# Altium PCB IPC_V3S_0.1.PcbDoc (part 2 of 2)
Units mil, origin at the board's own origin, x right, y up, seen from the top; angles counter-clockwise.
Board outline 2206.03 x 1507.04 mil, 4 copper layers (Top Layer, signal, vcc, Bottom Layer), stack 70.112 mil thick; 139 components, 125 nets, 631 pads, 200 vias.
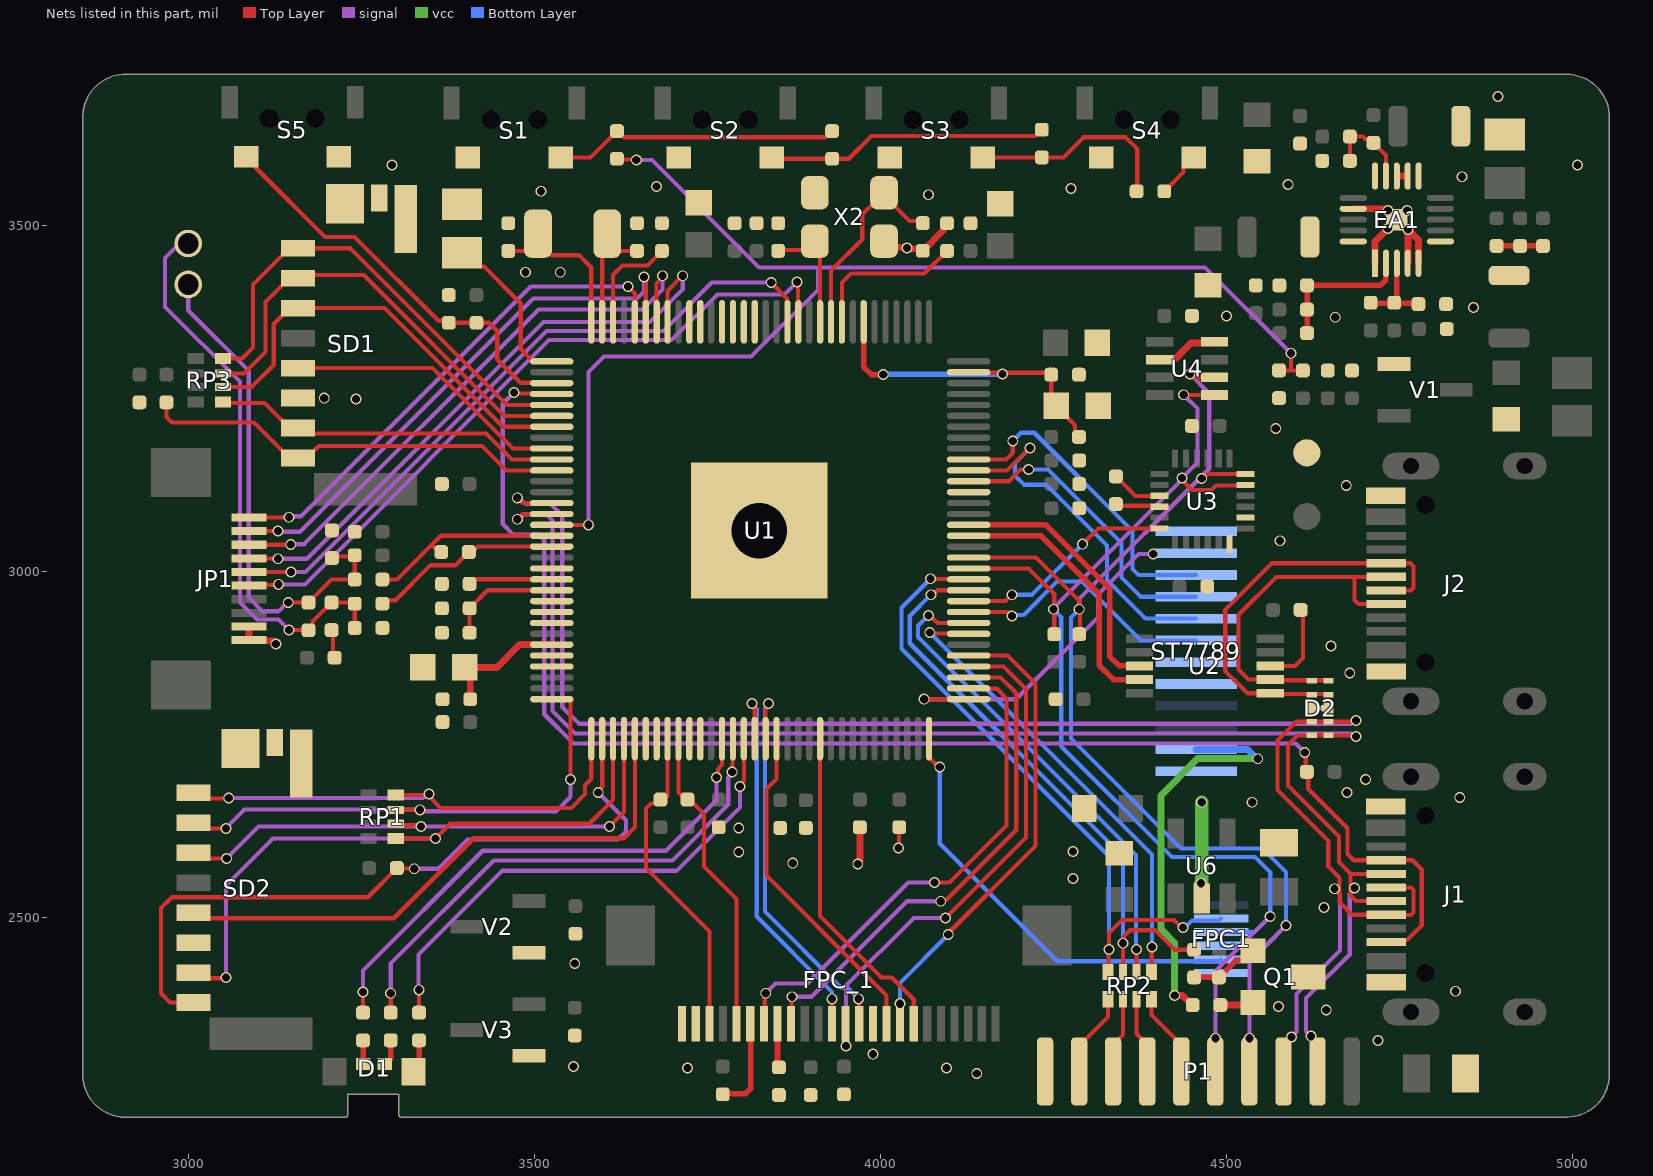
[diagram p4: the nets of this part, all layers, seen from the top]

## Via types
v1: diameter 15.75, hole 11.81, Top Layer to Bottom Layer, tented both sides, 200 vias

## Nets (pads, with @x,y where several pads share a name; then routed paths per layer and width w, separated by ;. In a path a pad name is that pad's centre, name@x,y a point inside that pad or via, vN(x,y) a via of type N, cw(c..) or ccw(c..) an arc to the next point about the centre after c; other vN are vias at no path point) (continued)
CSI_D8: FPC_1.7 U1.22 | length 477
  Top Layer w6: U1.22@3912.61,2757.88 3912.61,2501.42 4001.03,2413 4016.06,2413 4047.85,2381.21 FPC_1.7@4047.85,2345.75
CSI_D9: FPC_1.9 U1.18 | length 490
  Top Layer w6: U1.18@3849.62,2757.88 3849.62,2699.62 3835,2685 3835,2560 3976,2419 4008.48,2386.52 FPC_1.9@4008.48,2345.75
CSI_D10: FPC_1.11 U1.17 | length 571.3
  Top Layer w6: U1.17@3833.87,2757.88 3833.87,2802.24 ; v1(3968,2382) 3968.56,2381.44 3968.56,2346.3 FPC_1.11@3969.11,2345.75
  Bottom Layer w6: v1(3838,2809) 3838,2807 3833,2802 3833,2508 3943,2398 3952,2398 v1(3968,2382)
CSI_D11: FPC_1.13 U1.16 | length 564.2
  Top Layer w6: v1(3814,2809) 3814,2806.36 3818.13,2802.24 U1.16@3818.13,2757.88 ; FPC_1.13@3929.74,2345.75 3929.87,2345.88 3929.87,2381.87 v1(3930,2382)
  Bottom Layer w6: v1(3814,2809) 3814,2808 3821,2801 3821,2501 3930,2392 v1(3930,2382)
CSI_SCK: FPC_1.20 R30.1 U1.9 | length 443.1
  Top Layer w6: U1.9@3707.89,2757.88 3707.89,2680.51 3711.4,2677 3712.92,2677 3719.92,2670 R30.1@3721,2670 ; R30.1@3726.9,2667.1 3745,2649 3745,2573 3791.95,2526.05 FPC_1.20@3791.95,2345.75
CSI_SDA: FPC_1.22 R29.1 U1.8 | length 468.2
  Top Layer w6: R29.1@3686.96,2664.23 3668.23,2664.23 3661,2657 3661,2571 3752.58,2479.42 FPC_1.22@3752.58,2345.75 ; R29.1@3687,2670 3692.14,2675.14 U1.8@3692.14,2757.88
"DCMI RST": FPC_1.19 R31.2 | length 130.2
  Top Layer w8: R31.2@3778.84,2245 3805,2245 3812.32,2252.32 3812.32,2345.06 FPC_1.19@3811.63,2345.75
EPHY-LINK-LED: JP1.6 U1.77 | length 1032
  Top Layer w6: JP1.6@3087.31,2979.16 3088.23,2980.08 3129.08,2980.08 v1(3130,2981) ; v1(3879,3418) 3880.53,3416.47 3880.53,3360.89 U1.77@3881.12,3360.31
  signal w6: v1(3130,2981) 3168,2981 3521,3334 3698,3334 3764,3400 3861,3400 v1(3879,3418)
EPHY-RTX: R12.2 U1.94 | length 153
  Top Layer w6: U1.94@3613.4,3360.31 3613.4,3428.4 3626.87,3441.87 3663,3441.87 R12.2@3684,3462.87
EPHY-RXN: JP1.4 U1.89 | length 883.8
  Top Layer w6: JP1.4@3087.31,3018.53 3087.57,3018.26 3128.74,3018.26 v1(3129,3018) ; U1.89@3692.14,3360.31 3692.14,3405.14 v1(3714,3427)
  signal w6: v1(3129,3018) 3171,3018 3513,3360 3667,3360 3714,3407 v1(3714,3427)
EPHY-RXP: JP1.3 U1.90 | length 841.1
  Top Layer w6: JP1.3@3087.31,3038.21 3147.21,3038.21 v1(3147.61,3038.61) v1@3148,3039 ; U1.90@3676.39,3360.31 3676.39,3415.76 3685,3424.36 v1(3685,3427)
  signal w6: v1@3147.61,3039 3167,3039 3506,3378 3656,3378 3685,3407 v1(3685,3427)
EPHY-SPD-LED: JP1.5 U1.78 | length 994.7
  Top Layer w6: JP1.5@3087.31,2998.84 3147.84,2998.84 v1(3148,2999) ; v1(3842,3417) 3864.98,3394.02 3864.98,3360.7 U1.78@3865.37,3360.31
  signal w6: v1@3148,3000 3149,2999 3168.97,2999 3516.97,3347 3686,3347 3756,3417 v1(3842,3417)
EPHY-TXN: JP1.2 U1.91 | length 801.6
  Top Layer w6: JP1.2@3087.31,3057.9 3087.36,3057.95 v1(3128.95,3057.95) ; v1(3658,3425) 3658,3422.36 3660.65,3419.72 U1.91@3660.65,3360.31
  signal w6: v1(3128.95,3057.95) 3129.9,3057 3161,3057 3498,3394 3648,3394 3658,3404 v1(3658,3425)
EPHY-TXP: JP1.1 U1.92 | length 742.5
  Top Layer w6: JP1.1@3087.31,3077.58 3087.52,3077.79 3144.79,3077.79 v1(3145,3078) ; v1(3635,3411.36) 3644.9,3401.46 U1.92@3644.9,3360.31
  signal w6: v1@3144,3077 3146.43,3079.43 3162.43,3079.43 3494.36,3411.36 v1(3635,3411.36)
GND: C1.1 C2.2 C3.2 C4.2 C5.1 C6.2 C7.1 C8.2 C10.2 C11.1 C13.2 C14.2 C15.1 C16.2 C17.2 C18.1 C20.2 C21.2 C22.2 C23.2 C24.1 C26.2 C27.2 C28.2 C29.2 C30.2 C32.2 C33.1 C34.1 C35.1 C36.1 C37.1 C38.1 C39.1 C40.2 C41.2 C42.2 C43.1 C44.1 C45.1 C46.1 C47.1 C48.1 C49.2 C50.1 C53.1 C55.1 C56.1 C57.2 C58.1 C59.2 C60.2 C61.1 C62.2 C63.2 C64.2 C65.1 C66.1 D2.3 EA1.1 EA1.4 EA1.5 EA1.12 EA1.13 EA1.15 EA1.17 EA1.21 FPC1.1 FPC_1.10 FPC_1.23 J1.0 J1.A1 J1.A12 J1.B1 J1.B12 J2.0 J2.A1 J2.A12 J2.B1 J2.B12 JP1.9 JP1.10 P1.10 pad.3 Q1.2 R4.2 R7.1 R9.1 R11.1 R12.1 R14.1 R17.1 R18.2 R33.2 S1.1 S2.1 S3.1 S4.1 S5.2 SD1.6 SD1.10 SD2.6 SD2.10 ST7789.1 ST7789.5 ST7789.6 ST7789.12 TP2.1 U1.116 U1.129 U3.9 U3.18 U3.20 U4.1 U4.7 U6.2 V1.1 V2.1 V3.1 X2.2 X2.4 | length 880.5
  Top Layer w6: R33.2@3206.6,2914.8 3208.8,2912.6 3208.8,2877.2 C58.1@3211,2875 ; v1(4026,2600) 4026.5,2600.5 4026.5,2629.5 C27.2@4027,2630 ; C47.1@4340,3137 4368.13,3108.87 U3.9@4402.99,3108.87 ; v1@4727.61,3523.75 4730.36,3521 v1(4733,3521)
  Top Layer w8: C14.2@4890.24,3470 C21.2@4924.24,3470 C17.2@4957.24,3470
  Top Layer w10: JP1.9@3087.31,2920.1 JP1.10@3087.31,2900.42 3088.21,2899.51 3121.49,2899.51 v1(3126,2895) ; v1(3967,2577) 3967,2578.56 3970,2581.56 C45.1@3970,2630 ; X2.2@4005,3476.87 4013.77,3468.1 4036.9,3468.1 4039.1,3465.9 4058.1,3465.9 C41.2@4061,3463 4091,3493 4091,3497.87 R14.1@4096,3502.87 ; U4.7@4403.58,3305.8 4405.47,3307.69 4426.69,3307.69 4448.5,3329.5 4480.53,3329.5 U4.1@4482.42,3331.39 ; EA1.17@4683.01,3523.75 v1@4727.61,3523.75 ; EA1.1@4714.5,3445.01 4714.5,3476.5 v1(4733,3495) ; EA1.13@4746,3570.99 EA1.12@4761.75,3570.99 ; EA1.4@4761.75,3445.01 4761.87,3445.13 4761.87,3493.87 v1(4762,3494) 4777.5,3478.5 EA1.5@4777.5,3445.01
  vcc w20: v1(4463,2549) 4464,2550 v1(4464,2666)
  other v1: 4139,2274 3721,2282 4095,2282 3556,2284 3989,2302 4719,2322 4644,2366 4575,2371 4831,2393 3558,2433 4641,2514 4278,2556 3873,2578 3795,2594 4278,2595 3795,2629 4537,2666 4837,2673 4674,2680 4701,2699 4678,2853 4651,2892 4577,3044 4673,3124 4571,3206 3242,3249 3196,3250 4657,3367 4500,3369 4857,3381 3487,3432 3537,3432 4038,3467 4761,3521 4069,3544 3509,3549 4275,3553 3676,3556 4589,3559 4840,3570 3294,3587 5007,3587 4892,3686
HBIAS: U1.119
HPCOM: U1.125
HPCOMFB: U1.124
HPOUTL: U1.121
HPOUTR: U1.120
HPVCCBP: C5.2 C7.2 U1.123 | length 188.7
  Top Layer w10: C7.2@3407,2815 3407,2853 C5.2@3399,2861 3445.52,2861 3478.26,2893.74 U1.123@3524.79,2893.74
I2C0_SCK: FPC1.4 P1.5 R1.1 U1.45 U3.23 U4.4 | length 1682.8
  Top Layer w6: U1.45@4127.21,3003.98 4214.02,3003.98 4251,2967 R1.1@4251,2909 ; v1(4435.6,3134.6) 4435.6,3131.96 4443.81,3123.75 4443.81,3123.19 4449.87,3117.13 4478.13,3117.13 4485,3124 4526.39,3124 U3.23@4527.01,3124.62 ; v1(4438,3255) 4438.19,3254.81 4482.22,3254.81 U4.4@4482.42,3254.61
  signal w6: v1(4250,2945) 4250,2947 4434.89,3131.89 4434.89,3133.89 4458,3157 4458,3235 v1(4438,3255) ; v1(4484,2325) 4484,2422 v1(4563,2501)
  Bottom Layer w6: v1(4250,2945) 4261,2934 4261,2747 4421,2587 4541,2587 4563,2565 v1(4563,2501) 4540.37,2478.37 FPC1.4@4492,2478.37
I2C0_SDA: FPC1.3 P1.4 R2.1 U1.46 U3.24 U4.3 | length 1717.7
  Top Layer w6: U1.46@4127.21,3019.72 4224.28,3019.72 4288,2956 R2.1@4288,2909 ; v1(4447,3285) 4449.64,3285 4454.43,3280.2 U4.3@4482.42,3280.2 ; v1(4464,3134) 4466.64,3134 4473.01,3140.37 U3.24@4527.01,3140.37
  signal w6: v1(4287,2945) 4287,2960 4475,3148 4475,3257 v1(4447,3285) ; v1(4533,2325) 4533,2435 v1(4586,2488)
  Bottom Layer w6: v1(4287,2945) 4275,2933 4275,2758 4434,2599 4552,2599 4586,2565 v1(4586,2488) 4556.69,2458.69 FPC1.3@4492,2458.69
KEYADC0: C8.1 R21.2 R22.2 U1.112 | length 1839.5
  Top Layer w6: U1.112@3524.79,3066.97 v1(3578,3067) ; R22.2@3617.5,3597.5 R22.2@3619,3596 3620,3595 3646,3595 v1(3647,3594) ; C8.1@4575.8,3290.15 4575.88,3290.07 4593.02,3290.07 ; v1(4593.02,3314.98) 4593.02,3290.07 ; R21.2@4610.24,3290 4610.16,3290.07 4593.02,3290.07
  signal w6: v1(3578,3067) 3578,3288 3600,3310 3813,3310 3910,3407 3910,3439 ; v1(3647,3594) 3669.55,3594 3824.55,3439 3910,3439 ; v1(4593.02,3314.98) 4469,3439 3910,3439
LEDK: R34.1 ST7789.2 | length 583.6
  Top Layer w10: v1(4425,2387) 4436.46,2387 4450.46,2373 R34.1@4451,2373
  vcc w10: v1(4425,2387) 4425,2463 4405,2483 4405,2676 4458,2729 v1@4543,2729
  Bottom Layer w10: ST7789.2@4456,2742.5 4530.06,2742.5 4543.55,2729 v1(4545,2729)
MCSI-CKN: U1.87
MCSI-CKP: U1.86
MCSI-D0N: U1.82
MCSI-D0P: U1.81
MCSI-D1N: U1.84
MCSI-D1P: U1.83
MICIN1N: C9.1 C54.2 U1.114 | length 278.9
  Top Layer w6: C54.2@3280,2953 3285,2958 3299,2958 3349.67,3008.67 3386.04,3008.67 3400.37,3023 3406,3023 3418.47,3035.47 U1.114@3524.79,3035.47
MICIN1P: C9.2 C51.2 U1.113 | length 294
  Top Layer w6: C51.2@3280,2988 3301.41,2988 3350.25,3036.83 ; C9.2@3366,3023 3366,3025.63 3358.2,3033.44 3355.56,3033.44 3352.17,3036.83 3350.25,3036.83 ; U1.113@3524.79,3051.22 3364.64,3051.22 3350.25,3036.83
NetC12_2: C12.2 EA1.14 R5.1 R7.2 | length 128.2
  Top Layer w6: R7.2@4678.24,3593 R5.1@4678.24,3628 4697.24,3628 4700.47,3624.77 4706.47,3624.77 C12.2@4712.24,3619 4730.25,3600.98 EA1.14@4730.25,3570.99
NetC19_2: C19.2 EA1.3 R8.1 R9.2 | length 110.8
  Top Layer w8: C19.2@4708.24,3394 C19.2@4709.24,3393 ; C19.2@4717.24,3387 4776.24,3387 R9.2@4777.24,3386 ; EA1.3@4746,3445.01 4746.13,3444.88 R8.1@4746.13,3396.11
NetC25_2: C25.2 EA1.2 R10.1 R11.2 | length 210.3
  Top Layer w8: C25.2@4616.24,3344 R10.1@4616.24,3378 R11.2@4616.24,3413 4722.24,3413 4730.13,3420.89 4730.13,3444.88 EA1.2@4730.25,3445.01
NetC31_2: C31.2 U2.3 | length 120.4
  Top Layer w6: U2.3@4562.98,2863 4599,2863 4610.5,2874.5 4610.5,2940.5 C31.2@4609,2942
NetC47_2: C47.2 U3.10 | length 64.6
  Top Layer w6: C47.2@4340,3097 4342.37,3094.63 4401.49,3094.63 U3.10@4402.99,3093.13
NetC50_2: C50.2 C51.1 C52.1 R32.1 U5.2 | length 738.7
  Top Layer w6: v1(3144,2954.57) C52.1@3173.22,2954.57 3206.65,2988 C51.1@3240,2988 R32.1@3240,3023 3238,3021 3209,3021 C50.2@3207,3019
  signal w6: U5.2@2999.43,3414.47 2999.43,3376.57 3087,3289 3087,2962 3107,2942 3129.61,2942 3142.18,2954.57 v1(3144,2954.57)
NetC52_2: C52.2 C53.2 C54.1 R33.1 U5.1 | length 823.6
  Top Layer w6: v1(3145,2915) 3145.21,2914.79 3173,2914.79 C52.2@3173.22,2914.57 3178.98,2920.34 3178.98,2927.18 R33.1@3206.6,2954.8 ; R33.1@3207,2956 3208.5,2954.5 3238.5,2954.5 C54.1@3240,2953 C53.2@3240,2918
  signal w6: U5.1@2999.43,3473.53 2992.93,3467.02 2980.54,3467.02 2966,3452.49 2966,3382 3074,3274 3074,2955 3099,2930 3130,2930 v1(3145,2915)
NetD1_1: D1.1 R26.2 | length 34.8
  Top Layer w8: R26.2@3252,2322 3252.32,2321.68 3252.32,2287.84 D1.1@3252.65,2287.51
NetD1_2: D1.2 R27.2 | length 39.1
  Top Layer w8: D1.2@3283.35,2287.51 3285.13,2287.51 3292,2294.39 R27.2@3292,2322
NetD1_4: D1.4 R28.1 | length 48.8
  Top Layer w8: D1.4@3325.09,2276.49 3333,2284.4 R28.1@3333,2322
NetEA1_6: EA1.6 L2.1
NetEA1_11: EA1.11 L1.1
NetEA1_20: EA1.20 L3.1
NetQ1_1: Q1.1 R19.1 R35.1 | length 100.9
  Top Layer w8: R19.1@4453,2413 R35.1@4489,2413 4513.5,2437.5 4524,2437.5 Q1.1@4538,2451.5
NetQ1_3: Q1.3 R34.2 | length 48.4
  Top Layer w10: R34.2@4491,2373 4534.5,2373 Q1.3@4538,2376.5
NetR22_1: R22.1 R23.2 S1.2 | length 418.4
  Top Layer w6: S1.2@3539.34,3596 S1.2@3537.46,3597.87 3580.87,3597.87 R22.1@3619,3636 3620.08,3636 3629.08,3627 3919.92,3627 3928.92,3636 R23.2@3930,3636
NetR23_1: R23.1 R24.2 S2.2 | length 408.7
  Top Layer w6: S2.2@3842.44,3597.87 3844.31,3596 R23.1@3930,3596 3953.92,3596 3986.92,3629 4222.92,3629 4231.92,3638 R24.2@4233,3638
NetR24_1: R24.1 R25.2 S3.2 | length 304.1
  Top Layer w6: S3.2@4147.42,3597.87 4147.54,3598 R24.1@4233,3598 4264.42,3598 4293.42,3627 4354,3627 4371,3610 4371,3550 R25.2@4370,3549
NetR25_1: R25.1 S4.2 | length 67.6
  Top Layer w6: R25.1@4410,3549 4437.68,3576.68 4437.68,3585.13 4450.42,3597.87 S4.2@4452.39,3597.87
PB2: ST7789.7 U1.41 | length 385.4
  Top Layer w6: U1.41@4127.21,2940.98 4185.02,2940.98 v1@4189,2937
  Bottom Layer w6: v1(4190,2935) 4191.87,2936.87 4206.87,2936.87 4255,2985 4291,2985 4376.02,2899.98 ST7789.7@4456,2899.98
PB3: U1.42 U3.12 | length 316.4
  Top Layer w6: U1.42@4127.21,2956.73 4180.73,2956.73 v1@4188,2964 ; v1(4292,3039) 4314.63,3061.63 U3.12@4402.99,3061.63
  Bottom Layer w6: v1(4190,2966) 4219.03,2966 v1(4292,3039)
PB4/PWM0: R19.2 RP2.3 U1.43 | length 869.9
  Top Layer w6: v1(4073,2966) 4075.64,2966 4082.12,2972.48 U1.43@4127.21,2972.48 ; RP2.3@4350.14,2420.7 v1(4350.13,2462.34) ; v1(4350.13,2462.34) 4351.66,2463.87 4351.66,2472.66 4360,2481 4397,2481 4425,2453 R19.2@4453,2453
  Bottom Layer w6: v1(4073,2966) 4042.13,2935.13 4042.13,2895.87 4350.13,2587.87 v1(4350.13,2462.34)
PB5/PWM1: FPC1.5 RP2.4 U1.44 | length 969.7
  Top Layer w6: v1(4072,2989) 4072.39,2988.61 4126.83,2988.61 U1.44@4127.21,2988.23 ; RP2.4@4328.5,2420.69 4329.25,2421.43 4329.25,2452.41 v1(4330,2453.16) 4330,2477 4349,2496 4424.14,2496 4435.14,2485 v1(4437,2485)
  Bottom Layer w6: v1(4072,2989) 4030.13,2947.13 4030.13,2887.87 4330,2588 v1(4330,2453.16) ; v1(4437,2485) 4439.64,2485 4449.79,2495.15 4489.09,2495.15 FPC1.5@4492,2498.06
PC0/SPI_MISO: U1.52
PC1/SPI_CLK: ST7789.9 U1.53 | length 441.4
  Top Layer w6: U1.53@4127.21,3129.96 4185.51,3129.96 4202.34,3146.79 4213.79,3146.79 v1(4214,3147)
  Bottom Layer w6: v1(4214,3147) 4242,3147 4348,3041 4348,2991 4376.03,2962.97 ST7789.9@4456,2962.97
PC2/SPI_CS: ST7789.8 U1.54 | length 528
  Top Layer w6: U1.54@4127.21,3145.71 4182.71,3145.71 4215,3178 v1(4216,3178)
  Bottom Layer w6: v1(4216,3178) 4194.13,3156.13 4194.13,3137.87 4207,3125 4239,3125 4327,3037 4327,2987 4382.53,2931.47 ST7789.8@4456,2931.47
PC3/SPI_MOSI: ST7789.10 U1.55 | length 472.1
  Top Layer w6: U1.55@4127.21,3161.46 4181.46,3161.46 4191,3171 v1(4191,3188)
  Bottom Layer w6: v1(4191,3188) 4203,3200 4222,3200 4364,3058 4364,3003 4372.54,2994.46 ST7789.10@4456,2994.46
PE0/CSI_PCLK/LCD_CLK: FPC_1.8 U1.37 | length 657.4
  Top Layer w6: FPC_1.8@4028.08,2345.83 FPC_1.8@4028.17,2345.75 ; v1(4097.8,2474.8) 4097.8,2476.8 4224,2603 4224,2837.56 4183.57,2877.99 U1.37@4127.21,2877.99
  Bottom Layer w6: v1(4028,2375) 4028,2405 v1(4097.8,2474.8)
PE1/CSI_MCLK/LCD_DE: FPC_1.12 U1.36 | length 780.8
  Top Layer w6: v1(3950,2314) 3949.71,2314.29 3949.71,2345.46 FPC_1.12@3949.43,2345.75 FPC_1.12@3950.83,2347.15 ; v1(4094,2499) 4210,2615 4210,2830 4177.76,2862.24 U1.36@4127.21,2862.24
  signal w6: v1(3950,2314) 3950,2401 4048,2499 v1(4094,2499)
PE2/CSI_HSYNC/LCD_HSYNC: FPC_1.16 U1.35 | length 739.7
  Top Layer w6: FPC_1.16@3870.69,2345.75 3871.34,2346.41 3871.34,2384.34 v1(3872,2385) ; v1(4087,2523) 4088.87,2524.87 4094.87,2524.87 4196,2626 4196,2824 4173.5,2846.5 U1.35@4127.21,2846.5
  signal w6: v1(3872,2385) 3900,2385 4038,2523 v1(4087,2523)
PE3/CSI_VSYNC/LCD_VSYNC: FPC_1.18 U1.34 | length 738.1
  Top Layer w6: FPC_1.18@3831.32,2345.75 3832.66,2347.09 3832.66,2388.66 v1(3834,2390) ; v1(4078,2550) 4099.29,2550 4182,2632.71 4182,2816 4167.84,2830.16 4127.8,2830.16 U1.34@4127.21,2830.75
  signal w6: v1(3834,2390) 3848,2404 3894,2404 4040,2550 v1(4078,2550)
PE4: ST7789.11 U1.33 | length 504.4
  Top Layer w6: v1@4061,2817 v1(4063,2815) U1.33@4127.21,2815
  signal w6: v1(4063,2815) 4196,2815 4314,2933 4314,2966 4373,3025 v1(4394,3025)
PE5: FPC1.2 U1.32 | length 638.3
  Top Layer w6: U1.32@4070.09,2757.88 4070.09,2730.91 4084.01,2717 v1(4085.5,2717) v1@4087,2717
  Bottom Layer w6: v1(4085.5,2717) 4085.5,2606.5 4255.72,2436.28 4489.28,2436.28 FPC1.2@4492,2439
PE16: R28.2 U1.15 | length 738.8
  Top Layer w6: R28.2@3333,2362 v1(3333,2395) ; v1(3796.75,2689) 3796.75,2691.64 3802.38,2697.27 U1.15@3802.38,2757.88
  signal w6: v1(3333,2395) 3332,2396 3332,2446 3453,2567 3705.01,2567 3796.75,2658.74 v1(3796.75,2689)
PE17: R27.1 U1.14 | length 754.9
  Top Layer w6: R27.1@3292,2362 v1(3292,2390) ; v1(3785.5,2710) 3786.07,2710.56 3786.07,2757.32 U1.14@3786.63,2757.88
  signal w6: v1@3292,2387 3292,2433 3441,2582 3699,2582 3779.87,2662.87 3779.87,2701.73 3785.5,2707.36 v1(3785.5,2710)
PE18: R26.1 U1.13 | length 767.5
  Top Layer w6: v1@3251,2393 v1(3252,2392) R26.1@3252,2362 ; v1(3763,2702) 3764.87,2703.87 3764.87,2714.35 3770.88,2720.36 U1.13@3770.88,2757.88
  signal w6: v1(3252,2392) 3252,2423 3425,2596 3690,2596 3763,2669 v1(3763,2702)
PE19/CSI_D15/LCD_D21: U1.11
PE20/CSI_FIELD/CSI_MIPI_MCLK: U1.10
PE23/LCD_D22: U1.7
PE24/LCD_D23: U1.6
PF0/SDC0_D1/JTAG_MS1: R20.2 SD1.8 U1.107 | length 624.2
  Top Layer w6: R20.2@2968,3244 2968,3223 2976,3215 3094.28,3215 3145.67,3163.61 SD1.8@3158.17,3163.61 3170.67,3163.61 3188.05,3181 3424,3181 3459.29,3145.71 U1.107@3524.79,3145.71
PF1/SDC0_D0/JTAG_DI1: RP3.5 SD1.7 U1.106 | length 509.5
  Top Layer w6: RP3.5@3049.68,3244.5 3051.19,3243 3109.59,3243 3145.67,3206.92 SD1.7@3158.17,3206.92 3166.09,3199 3430.03,3199 3467.57,3161.46 U1.106@3524.79,3161.46
PF2/SDC0_CLK/UART0_TX: SD1.5 U1.105 | length 414.8
  Top Layer w6: SD1.5@3158.17,3293.54 3352.46,3293.54 3468.8,3177.2 U1.105@3524.79,3177.2
PF3/SDC0_CMD/JTAG_DO1: RP3.6 SD1.3 U1.103 | length 628.2
  Top Layer w6: RP3.6@3049.68,3266.16 3091.16,3266.16 3123,3298 3123,3357.48 3145.67,3380.15 3282.82,3380.15 3454.27,3208.7 U1.103@3524.79,3208.7
PF4/SDC0_D3/UART0_RX: RP3.7 SD1.2 U1.102 | length 660.3
  Top Layer w6: RP3.7@3049.68,3285.84 3079.84,3285.84 3111,3317 3111,3388.79 3145.67,3423.46 SD1.2@3158.17,3423.46 3162.65,3427.94 3253.06,3427.94 3456.55,3224.45 U1.102@3524.79,3224.45
PF5/SDC0_D2/JTAG_CK1: RP3.8 SD1.1 U1.101 | length 688.3
  Top Layer w6: RP3.8@3049.68,3307.5 3077.5,3307.5 3093,3323 3093,3414.1 3145.67,3466.76 SD1.1@3158.17,3466.76 3233.24,3466.76 3459.8,3240.2 U1.101@3524.79,3240.2
PG0/SDC1_CLK/PG_EINT0: SD2.5 U1.5 | length 821.3
  Top Layer w6: SD2.5@3006,2498.39 3296.39,2498.39 3412,2614 3628.88,2614 3644.9,2630.01 U1.5@3644.9,2757.88
PG1/SDC1_CMD/PG_EINT1: RP1.6 SD2.3 U1.4 | length 792.3
  Top Layer w6: SD2.3@3006,2585 v1(3055,2585) ; RP1.6@3299.37,2635.32 3301.82,2632.87 3334.13,2632.87 v1(3336,2631) ; v1(3608,2631) 3629.15,2652.15 U1.4@3629.15,2757.88
  signal w6: v1@3057,2587 3101,2631 v1(3336,2631) v1(3608,2631)
PG2/SDC1_D0/PG_EINT2: RP1.5 SD2.7 U1.3 | length 937.8
  Top Layer w6: SD2.7@3006,2411.77 3052.77,2411.77 v1(3054,2413) ; RP1.5@3299.37,2613.66 v1(3356.66,2613.66) 3378,2635 3579,2635 3613.4,2669.4 U1.3@3613.4,2757.88
  signal w6: v1(3054,2413) 3054,2546 3121.66,2613.66 v1(3356.66,2613.66)
PG3/SDC1_D1/PG_EINT3: R3.2 SD2.8 U1.2 | length 1047.3
  Top Layer w6: SD2.8@3007.17,2376.61 2973.39,2376.61 2960,2390 2960,2513 2975.84,2528.84 3258.84,2528.84 R3.2@3301,2571 3301.5,2570.5 3325.5,2570.5 v1(3326,2570) ; v1(3592,2680) 3592,2682.64 3597.65,2688.29 U1.2@3597.65,2757.88
  signal w6: v1(3326,2570) 3361,2570 3403,2612 3620,2612 3632,2624 3632,2640 v1(3592,2680)
PG4/SDC1_D2/PG_EINT4: RP1.8 SD2.1 U1.1 | length 719.1
  Top Layer w6: SD2.1@3006,2671.61 3057.61,2671.61 v1(3058,2672) ; RP1.8@3299.37,2676.65 3299.69,2676.33 3345.67,2676.33 3364,2658 3553.02,2658 3572.73,2677.71 3572.73,2690.68 3581.91,2699.86 U1.1@3581.91,2757.88
  signal w6: v1@3056,2672 3338.8,2672 3344.85,2678.06 v1(3347.18,2678.06)
PG5/SDC1_D3/PG_EINT5: RP1.7 SD2.2 U1.128 | length 769.6
  Top Layer w6: SD2.2@3006,2628.31 3053.69,2628.31 v1(3054,2628) ; RP1.7@3299.37,2655 3299.43,2655.06 3334.44,2655.06 v1(3334.5,2655.13) ; U1.128@3524.79,2815 3550.59,2815 3552,2813.59 v1(3552,2699)
  signal w6: v1@3054,2629 3080.5,2655.5 3334.13,2655.5 v1(3334.5,2655.13) ; v1@3334.5,2655.5 3336.37,2653.63 3342.25,2653.63 3342.89,2653 3531,2653 3552,2674 v1(3552,2699)
PWDN: FPC_1.17 R18.1 | length 61.9
  Top Layer w8: R18.1@3851,2283.84 FPC_1.17@3851,2345.75
PWM0: P1.8 RP2.6 | length 110.1
  Top Layer w6: P1.8@4336.15,2277 4336.15,2315.97 4350.16,2329.98 RP2.6@4350.16,2381.32
PWM1: P1.9 RP2.5 | length 121.5
  Top Layer w6: P1.9@4286.94,2277 4286.94,2313.94 4328.5,2355.5 RP2.5@4328.5,2381.32
RESET: C13.1 R6.1 S5.1 U1.99 | length 603.6
  Top Layer w6: S5.1@3083.08,3598.88 3085.05,3598.88 3097.79,3586.14 3097.79,3582.33 3197.12,3483 3240,3483 3361.1,3361.9 3373.1,3361.9 C13.1@3376,3359 3434,3359 3446,3347 3446,3305.86 3479.59,3272.28 3524.2,3272.28 U1.99@3524.79,3271.69
RTC-VIO: C16.1 U1.97 | length 254.5
  Top Layer w6: C16.1@3381.86,3467 3387,3467 C16.1@3387,3451 ; C16.1@3395,3459.96 3414.83,3440.13 3426.9,3440.13 3480,3387.02 3480,3321.01 3497.82,3303.19 U1.97@3524.79,3303.19
STROBE: FPC_1.24
SVREF: C42.1 R15.2 R17.2 U1.63 U1.71 | length 498
  Top Layer w6: U1.63@4127.21,3287.44 4127.8,3286.86 4243.77,3286.86 R17.2@4246.63,3284 4246.63,3246.06 C42.1@4253.69,3239 4253.69,3238.02 4280.86,3210.84 4280.86,3199.77 R15.2@4286.63,3194
  Top Layer w8: U1.71@3975.61,3360.31 3975.61,3295.12 3986.69,3284.03 v1(4003.87,3284.03)
  Bottom Layer w8: v1(4003.87,3284.03) 4004.36,3284.52 4175.52,3284.52 v1(4176,3285)
SZQ: R14.2 U1.73 | length 227.6
  Top Layer w6: U1.73@3944.11,3360.31 3944.11,3417.11 3957,3430 4063.13,3430 R14.2@4096,3462.87
U2R: P1.7 RP2.7 | length 110.7
  Top Layer w6: RP2.7@4369.84,2381.32 4369.84,2331.49 4385.36,2315.97 P1.7@4385.36,2277
U2T: P1.6 RP2.8 | length 122.2
  Top Layer w6: RP2.8@4391.5,2381.32 4391.5,2358.5 4434.57,2315.43 P1.6@4434.57,2277
UART0_RX: U1.49 U2.8 | length 392.2
  Top Layer w8: U1.49@4127.21,3066.97 4238.75,3066.97 4331,2974.72 4331,2877 4345,2863 U2.8@4377.69,2863
UART0_TX: U1.48 U2.9 | length 398.8
  Top Layer w8: U1.48@4127.21,3051.22 4231.78,3051.22 4316,2967 4316,2864 4337.09,2842.91 4378.09,2842.91 U2.9@4379,2842
UART2_RX: RP2.2 U1.40 | length 714.9
  Top Layer w6: v1(4069,2936) 4071.34,2936 4082.1,2925.24 U1.40@4127.21,2925.24 ; v1@4369,2454 v1(4369.84,2453.16) RP2.2@4369.84,2420.69
  Bottom Layer w6: v1(4069,2936) 4054.13,2921.13 4054.13,2904.62 4064.75,2894 4369,2589.75 v1@4369,2454
UART2_TX: RP2.1 U1.39 | length 681.2
  Top Layer w6: v1(4071,2911.61) 4072.54,2910.07 4126.63,2910.07 U1.39@4127.21,2909.49 ; RP2.1@4391.5,2420.69 4391.75,2420.94 4391.75,2456.75 v1(4392,2457)
  Bottom Layer w6: v1(4071,2911.61) 4392,2590.61 v1(4392,2457)
"USB ID": J1.A8 J1.B8 R13.2 U1.100 | length 2129.3
  Top Layer w6: v1(3470,3258) 3471.47,3256.53 3524.2,3256.53 U1.100@3524.79,3255.94 ; v1(4613,2738) 4614.5,2736.5 4614.5,2711.5 R13.2@4616,2710 4618,2708 4618,2685 4674.56,2628.44 4674.56,2591.44 4683.79,2582.21 J1.B8@4730.53,2582.21 4768.79,2582.21 4782,2569 4782,2488.07 4760.93,2467 4733.44,2467 J1.A8@4730.53,2464.1 J1.A8@4728.58,2466.05
  signal w6: v1(3470,3258) 3454,3242 3454,3068 3469,3053 3506,3053 3513.91,3045.09 3513.91,2793.28 3556.19,2751 4600,2751 v1(4613,2738)
USB_DM_2: D2.5 J2.A7 J2.B7 U2.2 | length 535
  Top Layer w6: D2.5@4647.28,2841.37 4646.35,2842.31 4563.98,2842.31 U2.2@4562.98,2843.31 4531.69,2843.31 4517,2858 4517,2937 4571.84,2991.84 4685,2991.84 ; J2.A7@4728.37,2991.84 4685,2991.84 ; J2.A7@4728.37,2994 J2.A7@4730.53,2991.84 ; J2.B7@4730.53,2952.47 4690.53,2952.47 4685,2958 4685,2991.84
USB_DP_2: D2.4 J2.A6 J2.B6 U2.1 | length 628.1
  Top Layer w6: D2.4@4647.28,2821.69 4646.35,2822.62 4563.98,2822.62 U2.1@4562.98,2823.63 4530.37,2823.63 4498,2856 4498,2944 4565.52,3011.52 J2.B6@4730.53,3011.52 4765.48,3011.52 4770,3007 4770,2976 4766,2972 4730.69,2972 J2.A6@4730.53,2972.15 J2.A6@4728.69,2974
USB_N: D2.2 J1.A7 J1.B7 P1.3 U1.110 | length 2396.5
  Top Layer w6: v1(3475,3106) 3482.54,3098.46 U1.110@3524.79,3098.46 ; v1(4687.12,2784.19) 4684.49,2784.19 4682.61,2782.32 D2.2@4647.28,2782.32 D2.2@4622.87,2782.32 4600.31,2782.32 4573.44,2755.44 4573.44,2683.56 4647,2610 4647,2573 4663,2557 4663,2522 4681.53,2503.47 J1.B7@4730.53,2503.47 4731,2503 4766.49,2503 4770,2506.51 4770,2539.32 4766.49,2542.84 J1.A7@4730.53,2542.84
  signal w6: v1(3475,3106) 3477.64,3106 3486.64,3097 3523.21,3097 3540,3080.21 3540,2803.95 3564.36,2779.6 4679.89,2779.6 4684.49,2784.19 v1(4687.12,2784.19) ; v1(4594,2327) 4601,2334 4601,2389 4664,2452 4664,2532.61 4656,2540.61 v1(4656,2541)
USB_P: D2.1 J1.A6 J1.B6 P1.2 U1.111 | length 2273.7
  Top Layer w6: v1(3475,3075) 3482.72,3082.72 U1.111@3524.79,3082.72 ; v1(4687,2761) 4685.37,2762.63 D2.1@4647.28,2762.63 4646.91,2763 4622.87,2763 4622.5,2762.63 4602.63,2762.63 4589,2749 4589,2690 4662.56,2616.44 4662.56,2579.44 4679.48,2562.52 ; J1.A6@4730.53,2523.15 4687.15,2523.15 4679,2531.3 4679,2562.04 4679.48,2562.52 ; J1.B6@4730.53,2562.52 4679.48,2562.52
  signal w6: v1(3475,3075) 3477.64,3075 3484.64,3082 3517,3082 3525.91,3073.09 3525.91,2804 3526,2803.91 3526,2798.16 3558.56,2765.6 4679.77,2765.6 4684.36,2761 v1(4687,2761) ; v1(4622,2328) 4615,2335 4615,2383.2 4678,2446.2 4678,2533.61 4685,2540.61 v1(4685,2542)
VAR1: C4.1 U1.117 | length 121.5
  Top Layer w6: C4.1@3406.06,2981.67 3407.14,2981.67 3413.7,2988.23 U1.117@3524.79,2988.23
VAR2: C6.1 R4.1 U1.118 | length 164.9
  Top Layer w6: R4.1@3406.06,2911 C6.1@3406.06,2946.33 3432.2,2972.48 U1.118@3524.79,2972.48
X24MIN: C40.1 U1.75 X2.1 | length 178.5
  Top Layer w6: C40.1@3852,3462.87 3853.5,3464.37 3892.5,3464.37 X2.1@3905,3476.87 3912.31,3469.57 3912.31,3360.61 U1.75@3912.61,3360.31
X24MOUT: C41.1 U1.74 X2.3 | length 290.8
  Top Layer w6: U1.74@3928.36,3360.31 3928.36,3434.36 3973.5,3479.5 3973.5,3515.5 3982,3524 3982.34,3524 X2.3@4005,3546.66 ; X2.3@4005,3542.87 4042,3505.87 4058.13,3505.87 C41.1@4061,3503
X32KIN: C22.1 U1.96 X1.2 | length 232.3
  Top Layer w6: C22.1@3462,3462.87 3488.53,3462.87 X1.2@3505,3479.34 ; X1.2@3505,3487.87 X1.2@3505,3479.34 ; U1.96@3581.91,3360.31 3581.91,3439.09 3564.35,3456.65 3525.01,3456.65 3505,3476.66 X1.2@3505,3479.34
X32KOUT: C26.1 U1.95 X1.1 | length 189
  Top Layer w6: U1.95@3597.65,3360.31 3597.83,3360.48 3597.83,3480.7 X1.1@3605,3487.87 3605,3479.34 3621.47,3462.87 C26.1@3648,3462.87
pads on no net: FPC_1.25 FPC_1.26 J1.1 J1.A5 J1.B5 J2.1 J2.A5 J2.A8 J2.B5 J2.B8 JP1.0 S1. S1.3 S1.4 S2. S2.3 S2.4 S3. S3.3 S3.4 S4. S4.3 S4.4 S5. S5.3 S5.4 SD1.9 SD2.9 U2.4 U2.5 U2.6 U3.1 U3.2 U3.3 U3.4 U3.5 U3.6 U3.7 U3.11 U3.14 U3.15 U3.16 U3.17 U3.19 U3.21 U4.2 U4.5 U6.4

## Polygon pours and split planes (outlines as drawn)
GND on Top Layer "GND_L01_P007" (solid, pour order 7): 2850,2210 2850.14,2210.14 2850.14,3714.48 5050,3714.48 5050,2210
5V on Top Layer "5V_L01_P002" (solid, pour order 2): 5028,3283 5028,3528 5012,3544 4964,3544 4964,3492.24 4978,3478.24 4978,3283
5V_IN on Top Layer "5V_IN_L01_P001" (solid, pour order 1): 4793,3051 4930,3051 4973,3094 4973,3204 5026,3204 5026,2976 4796,2976 4793,2973
1V8 on Top Layer "1V8_L01_P000" (solid, pour order 0): 4529.72,3512 4288,3512 4169,3393 4080,3393 4080,3341 4210,3341 4321,3452 4529.72,3452
3V3 on vcc "3V3_L03_P005" (solid, pour order 5): 2850,3715 5050,3715 5050,2214 2850,2214
5V on vcc "5V_L03_P003" (solid, pour order 3): 4983,3390 5019,3390 5019,2545 4985,2511 4798,2511 4798,2562 4957,2562 4983,2588
GND on Bottom Layer "GND_L04_P008" (solid, pour order 8): 2849.31,2211.03 2849.45,2211.17 2849.45,3715.51 5049.31,3715.51 5049.31,2211.03

## Keep-outs
Keep-Out Layer:
  circle w6: c2908.5,3656.5 r39.37
  circle w6: c4991.5,2272.5 r39.37
  circle w6: c2911,2276 r39.37
  circle w6: c4992,3659 r39.37
  lines w6: 2850,2266 2850,3659 ; 2850,2272 ccw(c2908.5,2272.5) 2909,2214 ; 2850,3656 cw(c2908.5,3656.5) 2908,3715 ; 2902,2214 3227,2214 3227,2247 3307,2247 3307,2214 4992,2214 ccw(c4991.5,2272.5) 5050,2273 5050,3660 ; 2906,3715 4995,3715 ; 4991,3715 cw(c4991.5,3656.5) 5050,3657

## Other copper
Top Layer:
  region net 5V: 4967.24,3544 4790.24,3544 4790.24,3489 4967.24,3489
  rectangle net 1V2: 3957.5,2729 3979,2884.46
  rectangle net 1V2: 3861,2729 3899,2891
  rectangle net 3V3: 3496.04,3283 3600,3291.86
  region net NetEA1_20: 4700.24,3472.27 4664.63,3472.27 4626,3458 4626,3509 4665.11,3480.77 4700.24,3480.77
  region net NetEA1_6: 4791.24,3481 4846.24,3481 4887.24,3440 4887.24,3414 4850.24,3414 4791.24,3473
  region net NetEA1_11: 4774.24,3553 4774.24,3592 4849.24,3672 4849.24,3615 4781.24,3553
  region net 1V8: 4002,3331 4002,3303.86 4098,3222 4157,3222 4157,3275 4158,3276 4086,3276 4086,3393 4002,3393

## Silkscreen, mask and mechanical layers (free items; w line width, h text height)
Top Overlay:
  text "K2" at 3898,3658 h60
  text "K3" at 4202,3658 h60
  text "K1" at 3589,3657 h60
  text "RST" at 3255,3604 h60
  text "MIC" at 2919,3541 h60
  text "K4" at 4451,3527 h60
  text "Coretex-A7 / Inside" at 4215,3415 h50
  text "ETH" at 2863,3291 h60 r270
  text "SD" at 3389.73,3211.75 h60 r90
  text "DBG" at 4674,2936 h60 r90
  text "2022/7/5" at 2875,2774 h60 r270
  text "Pi" at 4497,2707 h100
  text "Atomic" at 4105,2705 h120
  text "OTG" at 4671,2551 h60 r90
  text "EX SD" at 3238,2407 h60 r90
  text "OTG" at 3002,2249 h60
  text "CAMERA" at 3508,2225 h60
Bottom Overlay:
  region: 4381.5,2399 4346.5,2434 4345.5,2434 4310.5,2399 4308.5,2399
  lines w6: 3670,2386 3670,2581 4387,2581 4387,2386 3670,2386
  text "USB_V" at 4209.36,2570.66 h60 r90
  text "USB_P" at 4287.35,2569.72 h60 r90
  text "PWM0" at 3860.6,2562.15 h60 r90
  text "PWM1" at 3793.18,2558.51 h60 r90
  text "GND" at 3726.38,2541.77 h60 r90
  text "SDA" at 4131.37,2539 h60 r90
  text "U2R" at 3928.02,2536.21 h60 r90
  text "SCL" at 4063.41,2535.03 h60 r90
  text "U2T" at 3995.44,2533.03 h60 r90
  text "5V" at 4367.38,2519 h60 r90
  text "AtomiPi made by ZZY / 2022/7/5" at 3570,2379 h60

## Text inside footprints (layer, text, board x,y; h text height)
J1: Top Overlay "USB" at 4876,2463 h39.37 r90
J2: Top Overlay "USB" at 4876,2912 h39.37 r90
ST7789: Bottom Overlay "1" at 4339.58,2685.75 h60 r90; Bottom Overlay "12" at 4345.64,3157.08 h60 r90